# Altium PCB ECU_AutoRC_r00.PcbDoc (part 2 of 2)
Units mm, origin at the board's own origin, x right, y up, seen from the top; angles counter-clockwise.
Board outline 140 x 95 mm, 2 copper layers (Top Layer, Bottom Layer); 179 components, 108 nets, 547 pads, 248 vias.
Unrouted connection lines stored in the file: 7.
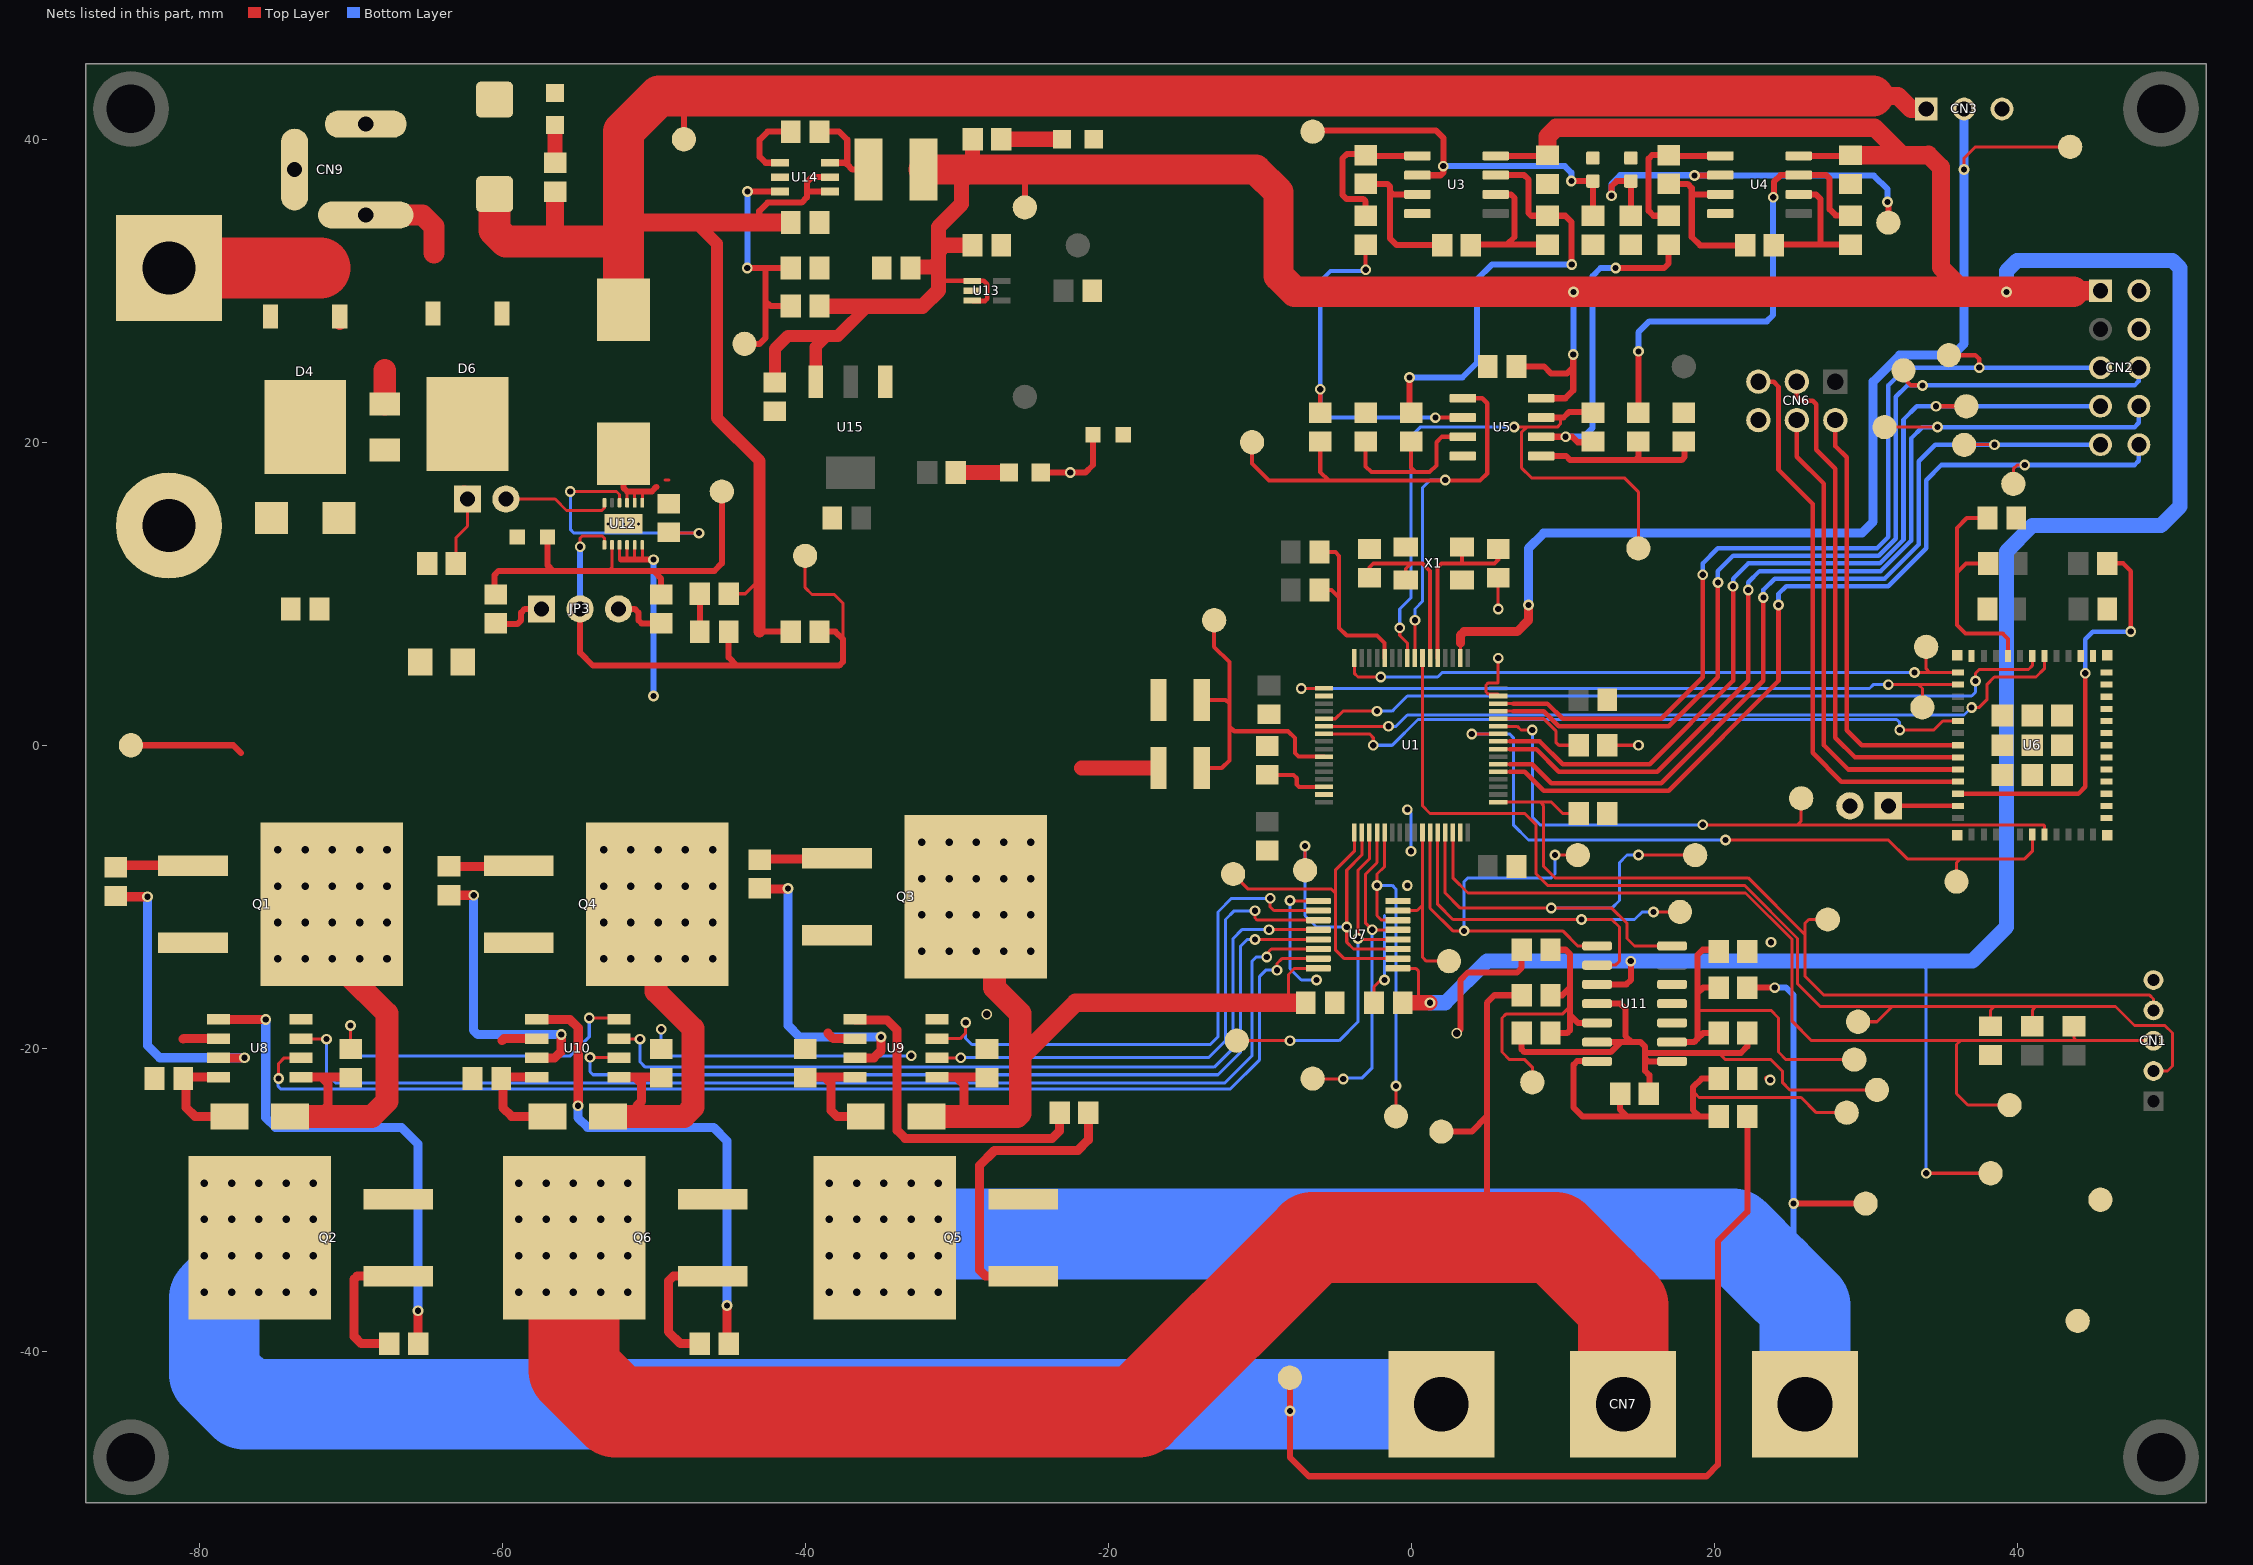
[diagram p2: the nets of this part, all layers, seen from the top]

## Via types
v1: diameter 0.711, hole 0.406, Top Layer to Bottom Layer, 123 vias
v2: diameter 0.7, hole 0.5, Top Layer to Bottom Layer, 122 vias
v3: diameter 0.2, hole 0.2, Top Layer to Bottom Layer, 3 vias

## Nets (pads, with @x,y where several pads share a name; then routed paths per layer and width w, separated by ;. In a path a pad name is that pad's centre, name@x,y a point inside that pad or via, vN(x,y) a via of type N, cw(c..) or ccw(c..) an arc to the next point about the centre after c; other vN are vias at no path point) (continued)
+5V: C14.1 C15.1 C16.1 C20.2 C34.1 C36.1 C38.1 CN2.1 L2.2 R45.2 R46.2 TP37.1 TP44.1 U3.8 U4.8 U5.8 U7.1 U11.3 U13.1 U13.3 U15.3 | length 323.6
  Top Layer w0.2: U7.1@-0.87,-14.723 0.298,-14.723 0.5,-14.925 0.5,-16.875 0.375,-17 ; v1(34,-28.25) TP37.1@38.25,-28.25
  Top Layer w0.3: -31.2,30.65 U13.1@-28.97,30.65 -28.2,30.65 -27.975,30.425 -27.975,29.475 -28.125,29.325 -28.945,29.325 U13.3@-28.97,29.35
  Top Layer w0.4: TP44.1@-25.5,35.5 -25.5,37.925 -25.425,38 ; U3.8@5.585,38.905 C14.1@8.955,38.905 ; C16.1@6.95,25 8.775,25 9.25,24.525 10.275,24.525 10.7,24.95 ; U5.8@8.585,22.905 10.18,22.905 10.7,23.425 10.7,24.95 ; v1(10.7,25.8) 10.7,24.95 ; U11.3@12.275,-15.789 14.211,-15.789 14.5,-15.5 v1(14.5,-14.25) ; U4.8@25.585,38.905 28.955,38.905 C15.1@29,38.95
  Top Layer w0.8: C38.1@-42,23.95 -42,26.15 -41.125,27.025 -38.575,27.025 ; U15.3@-39.35,23.95 U15.3@-39.3,24 -39.3,26.3 -38.575,27.025 ; -36.725,28.875 -36.725,28.975 ; -35.875,28.975 -37.825,27.025 -38.575,27.025
  Top Layer w1: R45.2@-39.05,29 -39.025,28.975 -36.725,28.975 -35.875,28.975 -32.25,28.975 -31.2,30.025 -31.2,30.65 -31.2,31.9 ; C36.1@-33.05,31.5 -32.975,31.575 -31.525,31.575 -31.2,31.9 ; C34.1@-28.95,33 -30.8,33 -31.2,32.6 ; R46.2@-28.95,40 -28.95,38.11 -28.84,38 -29.675,37.165 -29.675,35.725 -31.2,34.2 -31.2,32.6 ; C20.2@-0.55,-17 0.375,-17 v1(1.25,-17) ; -31.2,31.9 -31.2,32.6
  Top Layer w1.2: C14.1@8.955,38.905 C14.1@9,38.95 9,40.175 9.585,40.76 30.58,40.76 32.39,38.95 ; C15.1@29,38.95 32.39,38.95 ; 36.6,29.925 34.975,31.55 34.975,38.15 34.15,38.975 34.125,38.95 32.39,38.95
  Top Layer w1.3: 43.7,29.925 43.775,30 CN2.1@45.5,30
  Top Layer w2: L2.2@-32.175,38 -28.84,38 -25.425,38 -10.25,38 -8.75,36.5 -8.75,31 -7.675,29.925 v1(10.725,29.925) 36.6,29.925 v1(39.3,29.925) 43.7,29.925
  Bottom Layer w0.2: 33.5,-14.25 34,-14.75 v1(34,-28.25)
  Bottom Layer w0.4: v1(10.7,25.8) 10.725,25.825 v1(10.725,29.925)
  Bottom Layer w1: v1(1.25,-17) 2.25,-17 5,-14.25 v1(14.5,-14.25) 33.5,-14.25 37.05,-14.25 39.3,-12 39.3,12.8 41,14.5 49.5,14.5 50.75,15.75 50.75,31.5 50.25,32 40,32 39.3,31.3 v1(39.3,29.925)
+8V4: C29.1 C37.1 CN3.1 L1.2 R38.2 R39.2 R40.2 TP42.1 U14.4 U14.5 | length 169.7
  Top Layer w0.2: R40.2@-45.05,10 -43.95,10 -43,10.95
  Top Layer w0.4: TP42.1@-48,40 -48,42.11 -47.25,42.86 ; -43.03,34.5 -43.03,35.26 -42.47,35.82 -40.23,35.82 -39.88,36.17 -39.88,36.67 ; -43.005,7.5 R38.2@-40.95,7.5 ; U14.4@-38.35,36.55 -39.76,36.55 -39.88,36.67 ; U14.5@-38.35,37.5 -39.55,37.5 -39.88,37.17 -39.88,36.67
  Top Layer w0.8: -47.2,34.5 -45.825,33.125 -45.825,21.6 -43,18.775 -43,10.95 ; -43.005,7.5 -43.005,10.945
  Top Layer w1.2: -56.5,33.25 R39.2@-56.5,36.55 ; -52,34.77 -51.73,34.5 -47.2,34.5 -43.03,34.5 C37.1@-40.95,34.5 ; 30.5,42.86 32.14,42.86 33,42 CN3.1@34,42
  Top Layer w2.1: C29.1@-60.5,36.38 -60.5,34 -59.75,33.25 -56.5,33.25 -52,33.25
  Top Layer w2.7: L1.2@-52,28.744 -52,33.25 -52,34.77 -52,40.5 -49.64,42.86 -47.25,42.86 30.5,42.86
AGND: NT1.2 R42.1 R43.1 TP49.1 U12.8 | length 27.3
  Top Layer w0.2: -53,11.5 -52.75,11.75 U12.8@-52.75,13.223
  Top Layer w0.4: R43.1@-60.5,9.95 -60.5,11.25 -60.25,11.5 -56.625,11.5 ; NT1.2@-57,13.75 -57,11.875 -56.625,11.5 ; R42.1@-49.5,9.95 -49.5,11 -50,11.5 ; TP49.1@-45.5,16.75 -45.5,12 -46,11.5 -50,11.5 ; -56.625,11.5 -53,11.5 -50,11.5
BEMF_A: R29.2 R30.1 R37.2 TP32.1 U11.7 | length 30.7
  Top Layer w0.2: 18.6,-23 18.75,-23 19,-23.25 25.75,-23.25 26.75,-24.25 TP32.1@28.75,-24.25
  Top Layer w0.4: U11.7@12.275,-20.869 12.256,-20.85 10.95,-20.85 10.725,-21.075 10.725,-23.925 11.3,-24.5 14.25,-24.5 ; R30.1@13.8,-23 13.8,-24.05 14.25,-24.5 ; R29.2@20.3,-24.5 19.025,-24.5 ; R37.2@20.3,-22 19.175,-22 18.6,-22.575 18.6,-23 18.6,-24.075 19.025,-24.5 ; 14.25,-24.5 19.025,-24.5
BEMF_B: R31.1 R32.2 R36.2 TP33.1 U11.5 | length 21.8
  Top Layer w0.2: TP33.1@8,-22.25 8,-21.25 7.5,-20.75 6.5,-20.75 6,-20.25 6,-18 6.25,-17.75 9.975,-17.75 10.475,-17.25
  Top Layer w0.4: R32.2@9.2,-19 10.3,-19 10.475,-18.825 10.475,-17.8 ; R31.1@9.2,-16.5 9.975,-16.5 10.475,-16 ; R36.2@9.2,-13.5 10.2,-13.5 10.475,-13.775 10.475,-16 ; U11.5@12.246,-18.3 U11.5@12.275,-18.329 11.004,-18.329 10.475,-17.8 ; 10.475,-17.8 10.475,-17.25 10.475,-16
BEMF_C: R33.1 R34.2 R35.2 TP35.1 U11.9 | length 25
  Top Layer w0.2: 18.9,-17.5 23.75,-17.5 24.25,-18 24.25,-20.25 24.75,-20.75 TP35.1@29.25,-20.75
  Top Layer w0.4: U11.9@17.225,-19.599 18.676,-19.599 18.9,-19.375 ; R34.2@20.3,-19 19.275,-19 18.9,-19.375 ; R33.1@20.3,-16 19.275,-16 18.9,-16.375 ; R35.2@20.3,-13.5 19.25,-13.5 18.9,-13.85 18.9,-16.375 ; 18.9,-19.375 18.9,-17.5 18.9,-16.375
BOOT0: R4.2 U1.60 | length 6.5
  Top Layer w0.2: U1.60@5.75,1.75 8.75,1.75 9.552,0.948 9.552,0.198 9.75,0 R4.2@11.05,0
CH1: CN2.9 TP8.1 U1.54 | length 58.3
  Top Layer w0.2: U1.54@5.75,-1.25 6.5,-1.25 ; TP8.1@36.5,19.825 36.525,19.85 38.49,19.85 v1(38.5,19.84)
  Top Layer w0.3: 6.5,-1.25 8,-1.25 9.25,-2.5 16.5,-2.5 23.25,4.25 v1(23.25,9.75)
  Bottom Layer w0.3: v1(23.25,9.75) 23.25,10.25 24,11 31.25,11 33.5,13.25 33.5,18.75 34.59,19.84 v1(38.5,19.84) CN2.9@45.5,19.84
CH2: CN2.7 TP6.1 U1.57 | length 60.8
  Top Layer w0.2: U1.57@5.75,0.25 6.5,0.25
  Top Layer w0.3: 6.5,0.25 8.5,0.25 10,-1.25 15.75,-1.25 21.25,4.25 v1(21.25,10.5) ; v1(34.65,22.375) TP6.1@36.65,22.375 TP6.1@36.675,22.4
  Bottom Layer w0.3: v1(21.25,10.5) 21.25,11 22.25,12 30.932,12 32.5,13.568 32.5,21.5 33.38,22.38 CN2.7@45.5,22.38
CH3: CN2.5 TP4.1 U1.62 | length 62.7
  Top Layer w0.2: U1.62@5.75,2.75 6.75,2.75
  Top Layer w0.3: 6.75,2.75 9,2.75 10,1.75 16.5,1.75 19.25,4.5 v1(19.25,11.25) ; TP4.1@35.5,25.75 37.25,25.75 37.5,25.5 v1(37.5,24.925)
  Bottom Layer w0.3: v1(19.25,11.25) 19.25,12 20.25,13 30.75,13 31.5,13.75 31.5,23.75 32.67,24.92 CN2.5@45.5,24.92
CH4: CN2.10 TP9.1 U1.53 | length 60.7
  Top Layer w0.2: U1.53@5.75,-1.75 6.5,-1.75 ; TP9.1@39.75,17.25 39.75,18.25 40,18.5 v1(40.5,18.5)
  Top Layer w0.3: 6.5,-1.75 7.5,-1.75 8.75,-3 17,-3 24.25,4.25 v1(24.25,9.25)
  Bottom Layer w0.3: v1(24.25,9.25) 24.25,10 24.75,10.5 31.5,10.5 34,13 34,17.5 35,18.5 v1(40.5,18.5) 47.75,18.5 48.04,18.79 CN2.10@48.04,19.84
CH5: CN2.8 TP7.1 U1.56 | length 64.6
  Top Layer w0.2: U1.56@5.75,-0.25 6.5,-0.25 ; TP7.1@31.5,21 v1(34.75,21)
  Top Layer w0.3: 6.5,-0.25 8.25,-0.25 9.75,-1.75 16.25,-1.75 22.25,4.25 v1(22.25,10.25)
  Bottom Layer w0.3: v1(22.25,10.25) 22.25,10.75 23,11.5 31,11.5 33,13.5 33,20.25 33.75,21 v1(34.75,21) 47.75,21 48.04,21.29 CN2.8@48.04,22.38
CH6: CN2.6 TP5.1 U1.61 | length 64.6
  Top Layer w0.2: U1.61@5.75,2.25 6.75,2.25
  Top Layer w0.3: 6.75,2.25 8.75,2.25 9.75,1.25 17,1.25 20.25,4.5 v1(20.25,10.75) ; TP5.1@32.5,24.75 32.5,24.25 33,23.75 v1(33.75,23.75)
  Bottom Layer w0.3: v1(20.25,10.75) 20.25,11.5 21.25,12.5 30.864,12.5 32,13.636 32,23 32.75,23.75 v1(33.75,23.75) 47.75,23.75 48.04,24.04 CN2.6@48.04,24.92
GND: C1.1 C2.2 C3.1 C6.1 C7.2 C8.2 C9.1 C10.1 C14.2 C15.2 C16.2 C17.2 C18.2 C19.2 C20.1 CN1.5 CN2.2 CN2.4 CN3.3 CN6.6 JP1.2 NT2.2 R3.1 R4.1 R16.1 R18.2 R19.1 R20.1 RV1.1 RV2.1 TP17.1 U1.18 U1.31 U1.47 U1.63 U3.4 U4.4 U5.4 U6.1 U6.2 U6.11 U6.36 U6.37 U6.38 U6.39 U6.40 U6.41 U6.42 U6.43 U6.44 U6.45 U6.46 U6.47 U6.48 U6.49 U6.50 U6.51 U6.52 U6.53 U7.8 X1.2 X1.4 | length 17.1
  Top Layer w0.2: C20.1@-2.45,-17 -2.45,-15.95 -2,-15.5 v1(-1.75,-15.5) ; U1.63@5.75,3.25 5.75,3.398 5.066,3.398 4.948,3.516 4.948,3.984 5.066,4.102 5.75,4.102 v1(5.75,5.75) ; v1(5.75,9) C7.2@5.75,11.05 ; R4.1@12.95,0 v1(15,0)
  Bottom Layer w0.2: v1(-1.75,-15.5) -1.75,-11.25 ; v1(-0.25,-4.25) 0,-4.5 v1(0,-7)
  other v1: -0.25,-9.25
IN_S1: R19.2 RV1.2 TP15.1 U3.2 | length 25.8
  Top Layer w0.4: TP15.1@-6.5,40.5 -6.425,40.575 1.65,40.575 2.15,40.075 v1@2.15,38.225 ; U3.2@0.415,37.635 0.425,37.625 1.95,37.625 2.125,37.8 v1(2.125,38.225) ; v1(10.575,37.25) 10.587,37.238 RV1.2@12,37.238 R19.2@12,34.95
  Bottom Layer w0.4: v1(2.125,38.225) 10.15,38.225 10.575,37.8 v1(10.575,37.25)
IN_S2: R20.2 RV2.2 TP16.1 U4.2 | length 27.9
  Top Layer w0.4: v1(13.225,36.275) 13.225,36.9 13.563,37.238 RV2.2@14.5,37.238 R20.2@14.5,34.95 ; v1(18.7,37.6) 20.38,37.6 U4.2@20.415,37.635 ; v1(31.45,35.85) 31.5,35.8 TP16.1@31.5,34.5
  Bottom Layer w0.4: v1(13.225,36.275) 13.225,37.05 13.8,37.625 18.675,37.625 v1(18.7,37.6) 30.55,37.6 31.45,36.7 v1(31.45,35.85)
IO0: TP19.1 U1.16 U6.12 | length 42.9
  Top Layer w0.2: U1.16@-3.75,5.75 -3.75,4.75 -3.5,4.5 v1(-2,4.5) ; v1(33.225,4.8) 34.25,4.8 ; TP19.1@34,6.5 34,5.05 34.25,4.8 ; U6.12@36.1,4.8 34.25,4.8
  Bottom Layer w0.2: v1(-2,4.5) 1.75,4.5 2.05,4.8 v1(33.225,4.8)
IO1: TP20.1 U1.17 U6.13 | length 46.6
  Top Layer w0.2: v1(-7.25,3.75) U1.17@-5.75,3.75 ; v1(31.5,4) 33.5,4 ; TP20.1@33.75,2.5 33.75,3.75 33.5,4 ; U6.13@36.1,4 33.5,4
  Bottom Layer w0.2: v1(-7.25,3.75) 30.25,3.75 30.5,4 v1(31.5,4)
IO2: U1.22 U6.5 | length 50.6
  Top Layer w0.2: U1.22@-5.75,1.25 v1(-1.5,1.25) ; v1(37,2.5) 37.5,2.5 38,3 38,4 38.5,4.5 41.25,4.5 41.8,5.05 U6.5@41.8,5.9
  Bottom Layer w0.2: v1(-1.5,1.25) -1,1.25 -0.25,2 36.5,2 v1(37,2.5)
IO3: U1.21 U6.6 | length 49.6
  Top Layer w0.2: U1.21@-5.75,1.75 -5,1.75 -4.5,2.25 v1(-2.25,2.25) ; v1(37.25,4.25) 37.25,4.75 37.5,5 40.75,5 41,5.25 U6.6@41,5.9
  Bottom Layer w0.2: v1(-2.25,2.25) -1.25,2.25 -1,2.5 -0.25,3.25 36.1,3.25 37,3.25 37.25,3.5 v1(37.25,4.25)
IO10: U1.23 U6.16 | length 44
  Top Layer w0.2: U1.23@-5.75,0.75 -2.75,0.75 -2.5,0.5 v1(-2.5,0) ; v1(32.25,1) 34.5,1 35.1,1.6 U6.16@36.1,1.6
  Bottom Layer w0.2: v1(-2.5,0) -1.25,0 0.448,1.698 32.052,1.698 32.25,1.5 v1(32.25,1)
NetC4_2: C4.2 C5.2 U1.12 | length 12.1
  Top Layer w0.27: C5.2@-6.05,10.25 -5.25,10.25 -4.75,9.75 ; C4.2@-6.05,12.75 -5,12.75 -4.75,12.5 -4.75,9.75 ; U1.12@-1.75,5.75 -1.75,6.75 -2.25,7.25 -4.25,7.25 -4.75,7.75 -4.75,9.75
NetC7_1: C7.1 U1.5 X1.1 | length 12
  Top Layer w0.27: U1.5@1.75,5.75 1.75,11.75 2,12 3.25,12 ; X1.1@3.35,13.1 3.35,12.1 3.25,12 ; C7.1@5.75,12.95 5.75,12.25 5.5,12 3.25,12
NetC8_1: C8.1 U1.6 X1.3 | length 12
  Top Layer w0.25: C8.1@-2.75,11.05 -2.75,11.75 -2.5,12 0,12 ; X1.3@-0.35,10.9 -0.35,11.65 0,12 ; U1.6@1.25,5.75 1.25,11.5 0.75,12 0,12
NetC10_2: C10.2 U1.30 | length 4.3
  Top Layer w0.27: C10.2@-9.5,-1.95 -7.775,-1.95 -7.55,-2.175 -7.55,-2.6 -7.4,-2.75 U1.30@-5.75,-2.75
NetC19_1: C19.1 R21.1 U6.8 | length 15.9
  Top Layer w0.27: C19.1@38.05,15 36.675,15 36.025,14.35 36.025,11.4 ; R21.1@38.1,12 36.625,12 36.025,11.4 ; U6.8@39.4,5.9 39.4,7.025 39.05,7.375 36.6,7.375 36.025,7.95 36.025,11.4
NetC23_1: C23.1 D1.2 U8.8 | length 7.4
  Top Layer w0.6: U8.8@-78.712,-21.905 -80.955,-21.905 -80.875,-21.985 -80.875,-23.9 -80.275,-24.5 D1.2@-78,-24.5
NetC25_1: C25.1 D2.2 U9.8 | length 8.1
  Top Layer w0.6: C25.1@-40,-21.95 -39.955,-21.905 -38.7,-21.905 ; U9.8@-36.712,-21.905 -38.7,-21.905 ; D2.2@-36,-24.5 -37.9,-24.5 -38.3,-24.1 -38.3,-22.305 -38.7,-21.905
NetC27_1: C27.1 D3.2 U10.8 | length 7.5
  Top Layer w0.6: U10.8@-57.712,-21.905 -59.955,-21.905 C27.1@-60.05,-22 -59.95,-22.1 -59.95,-23.925 -59.375,-24.5 D3.2@-57,-24.5
NetC28_1: C28.1 U12.4 | length 17
  Top Layer w0.2: v1(-55.5,16.75) -52.45,16.75 -52.25,16.55 U12.4@-52.25,16.003 ; C28.1@-49,14.05 -48.95,14 v1(-47,14)
  Bottom Layer w0.2: v1(-55.5,16.75) -55.5,14.25 -55.25,14 v1(-47,14)
NetC28_2: C28.2 L1.1 U12.1 U12.2 U12.3 | length 7.1
  Top Layer w0.2: U12.3@-51.75,16.003 -51.75,16.75 ; U12.2@-51.25,16.003 -51.25,16.75 ; U12.1@-50.75,16.003 -50.75,16.75 ; -49.25,17.5 -49,17.5
  Top Layer w0.4: L1.1@-52,19.244 -52,17 -51.75,16.75 -51.25,16.75 -50.75,16.75 -50.125,16.75 -49.825,17.05
NetC32_1: C32.1 JP3.2 R38.1 TP43.1 U12.7 | length 40.7
  Top Layer w0.2: v1(-54.85,13.1) -54.85,13.675 -54.725,13.8 -53.375,13.8 -53.25,13.675 U12.7@-53.25,13.223 ; TP43.1@-40,12.5 -40,10.4 -39.55,9.95 -38.075,9.95 -37.5,9.375 -37.5,7
  Top Layer w0.4: JP3.2@-54.856,9 -54.856,6.106 -54,5.25 -44.5,5.25 ; C32.1@-45.05,7.5 -45.05,5.8 -44.5,5.25 ; R38.1@-39.05,7.5 -38,7.5 -37.5,7 -37.5,5.5 -37.75,5.25 -44.5,5.25
  Bottom Layer w0.4: JP3.2@-54.856,9 -54.856,13.094 v1(-54.85,13.1)
NetC32_2: C32.2 R40.1 | length 2.5
  Top Layer w0.4: C32.2@-46.95,7.5 R40.1@-46.95,10
NetC33_1: C33.1 U14.1 | length 4.9
  Top Layer w0.4: U14.1@-41.65,38.45 -42.61,38.45 -43,38.84 -43,39.98 -42.48,40.5 C33.1@-40.95,40.5
NetC33_2: C33.2 L2.1 U14.6 | length 6.4
  Top Layer w0.4: C33.2@-39.05,40.5 -37.75,40.5 -37.22,39.97 -37.22,38.34 ; U14.6@-38.35,38.45 -37.33,38.45 -37.22,38.34 ; L2.1@-35.825,38 -36.88,38 -37.22,38.34
NetCN8_1: CN8.1 D4.1 | length 10.2
  Top Layer w0.8: D4.1@-70.72,27.8 D4.1@-70.72,28.05
  Top Layer w4: CN8.1@-82,31.5 -72,31.5
NetCN9_1: CN9.1 D6.1 | length 6.6
  Top Layer w1.4: CN9.1@-69,35 -65.25,35 -64.5,34.25 -64.5,32.5
NetD4_2: D4.2 D6.2 F1.1 | length 2.2
  Top Layer w1.5: F1.1@-67.75,22.52 -67.75,24.75
NetD7_1: D7.1 R39.1 | length 2.7
  Top Layer w1: R39.1@-56.45,38.5 R39.1@-56.5,38.45 -56.5,40.89 -56.53,40.92 D7.1@-56.5,40.95 D7.1@-56.45,41
NetD9_1: D9.1 R46.1 | length 4
  Top Layer w1: R46.1@-27.05,40 D9.1@-23.05,40
NetD10_1: D10.1 R50.1 | length 3.5
  Top Layer w1: R50.1@-30.05,18 D10.1@-26.55,18
NetJP1_1: JP1.1 U6.23 | length 4.6
  Top Layer w0.3: JP1.1@31.5,-4 U6.23@36.1,-4
NetJP2_1: JP2.1 R41.1 | length 4.9
  Top Layer w0.2: R41.1@-63.05,12 -63.05,13.7 -62.29,14.46 JP2.1@-62.29,16.25
  Top Layer w1.35: JP2.1@-62.515,16.475 JP2.1@-62.29,16.25
NetJP2_2: JP2.2 U12.6 | length 7.2
  Top Layer w0.2: JP2.2@-59.75,16.25 -56.5,16.25 -55.75,15.5 -53.417,15.5 -53.25,15.667 U12.6@-53.25,16.003
NetJP3_1: JP3.1 R43.2 | length 3.8
  Top Layer w0.4: R43.2@-60.5,8.05 -60.45,8 -59,8 -58.75,8.25 -58.75,8.75 -58.5,9 JP3.1@-57.396,9
NetJP3_3: JP3.3 R42.2 | length 3.5
  Top Layer w0.4: JP3.3@-52.316,9 -51.25,9 -51,8.75 -51,8.25 -50.8,8.05 R42.2@-49.5,8.05
NetQ1_1: Q1.1 R23.2 | length 6.1
  Top Layer w0.6: R23.2@-85.5,-8.05 -85.37,-7.92 Q1.1@-79.5,-7.92
NetQ2_1: Q2.1 R24.2 | length 9.3
  Top Layer w0.6: R24.2@-67.45,-39.5 -69.3,-39.5 -69.775,-39.025 -69.775,-35.25 -69.565,-35.04 Q2.1@-66.86,-35.04 Q2.1@-66.85,-35.05
NetQ3_1: Q3.1 R25.2 | length 4.5
  Top Layer w0.6: R25.2@-43,-7.55 -42.95,-7.5 Q3.1@-38.5,-7.5
NetQ4_1: Q4.1 R26.2 | length 4.5
  Top Layer w0.6: R26.2@-63.5,-8 -59.08,-8 Q4.1@-59,-7.92
NetQ5_1: Q5.1 R27.2 | length 19.7
  Top Layer w0.6: Q5.1@-25.6,-35.04 -28.085,-35.04 -28.5,-34.625 -28.5,-27.75 -27.5,-26.75 -22,-26.75 -21.3,-26.05 R27.2@-21.3,-24.25
NetQ6_1: Q6.1 R28.2 | length 8.9
  Top Layer w0.6: R28.2@-46.95,-39.5 -48.225,-39.5 -49.025,-38.7 -49.025,-35.375 -48.675,-35.025 -46.115,-35.025 Q6.1@-46.1,-35.04 Q6.1@-46.05,-35.09
NetR5_1: R5.1 R6.2 U5.2 | length 24.8
  Top Layer w0.27: R6.2@-6,21.95 v1(-6,23.5) ; v1(-3,31.382) R5.1@-3,33.05 ; v1(1.6,21.625) 1.61,21.635 U5.2@3.415,21.635
  Bottom Layer w0.27: v1(-3,31.382) -3.072,31.31 -5.315,31.31 -6,30.625 v1(-6,23.5) -6,21.925 -5.7,21.625 v1(1.6,21.625)
NetR5_2: R5.2 R9.2 U3.1 | length 10.2
  Top Layer w0.4: R5.2@-3,34.95 -3,35.9 -3.17,36.07 -4.28,36.07 -4.54,36.33 -4.54,38.73 -4.23,39.04 -3.09,39.04 R9.2@-3,38.95 -2.955,38.905 U3.1@0.415,38.905
NetR6_1: R6.1 TP13.1 U1.8 U5.1 | length 39.9
  Top Layer w0.2: U1.8@0.25,5.75 v1(0.25,8.25)
  Top Layer w0.27: TP13.1@-10.5,20 -10.5,18.6 -9.375,17.475 -5.425,17.475 ; R6.1@-6,20.05 -6,18.05 -5.425,17.475 ; U5.1@3.415,22.905 4.695,22.905 5.025,22.575 5.025,17.95 4.55,17.475 -5.425,17.475
  Bottom Layer w0.2: v1(0.25,8.25) 0.25,9 0.75,9.5 0.75,17 1.25,17.5 v1(2.25,17.5)